# Allegro board meta_module_lay_rev1.brd (continued)
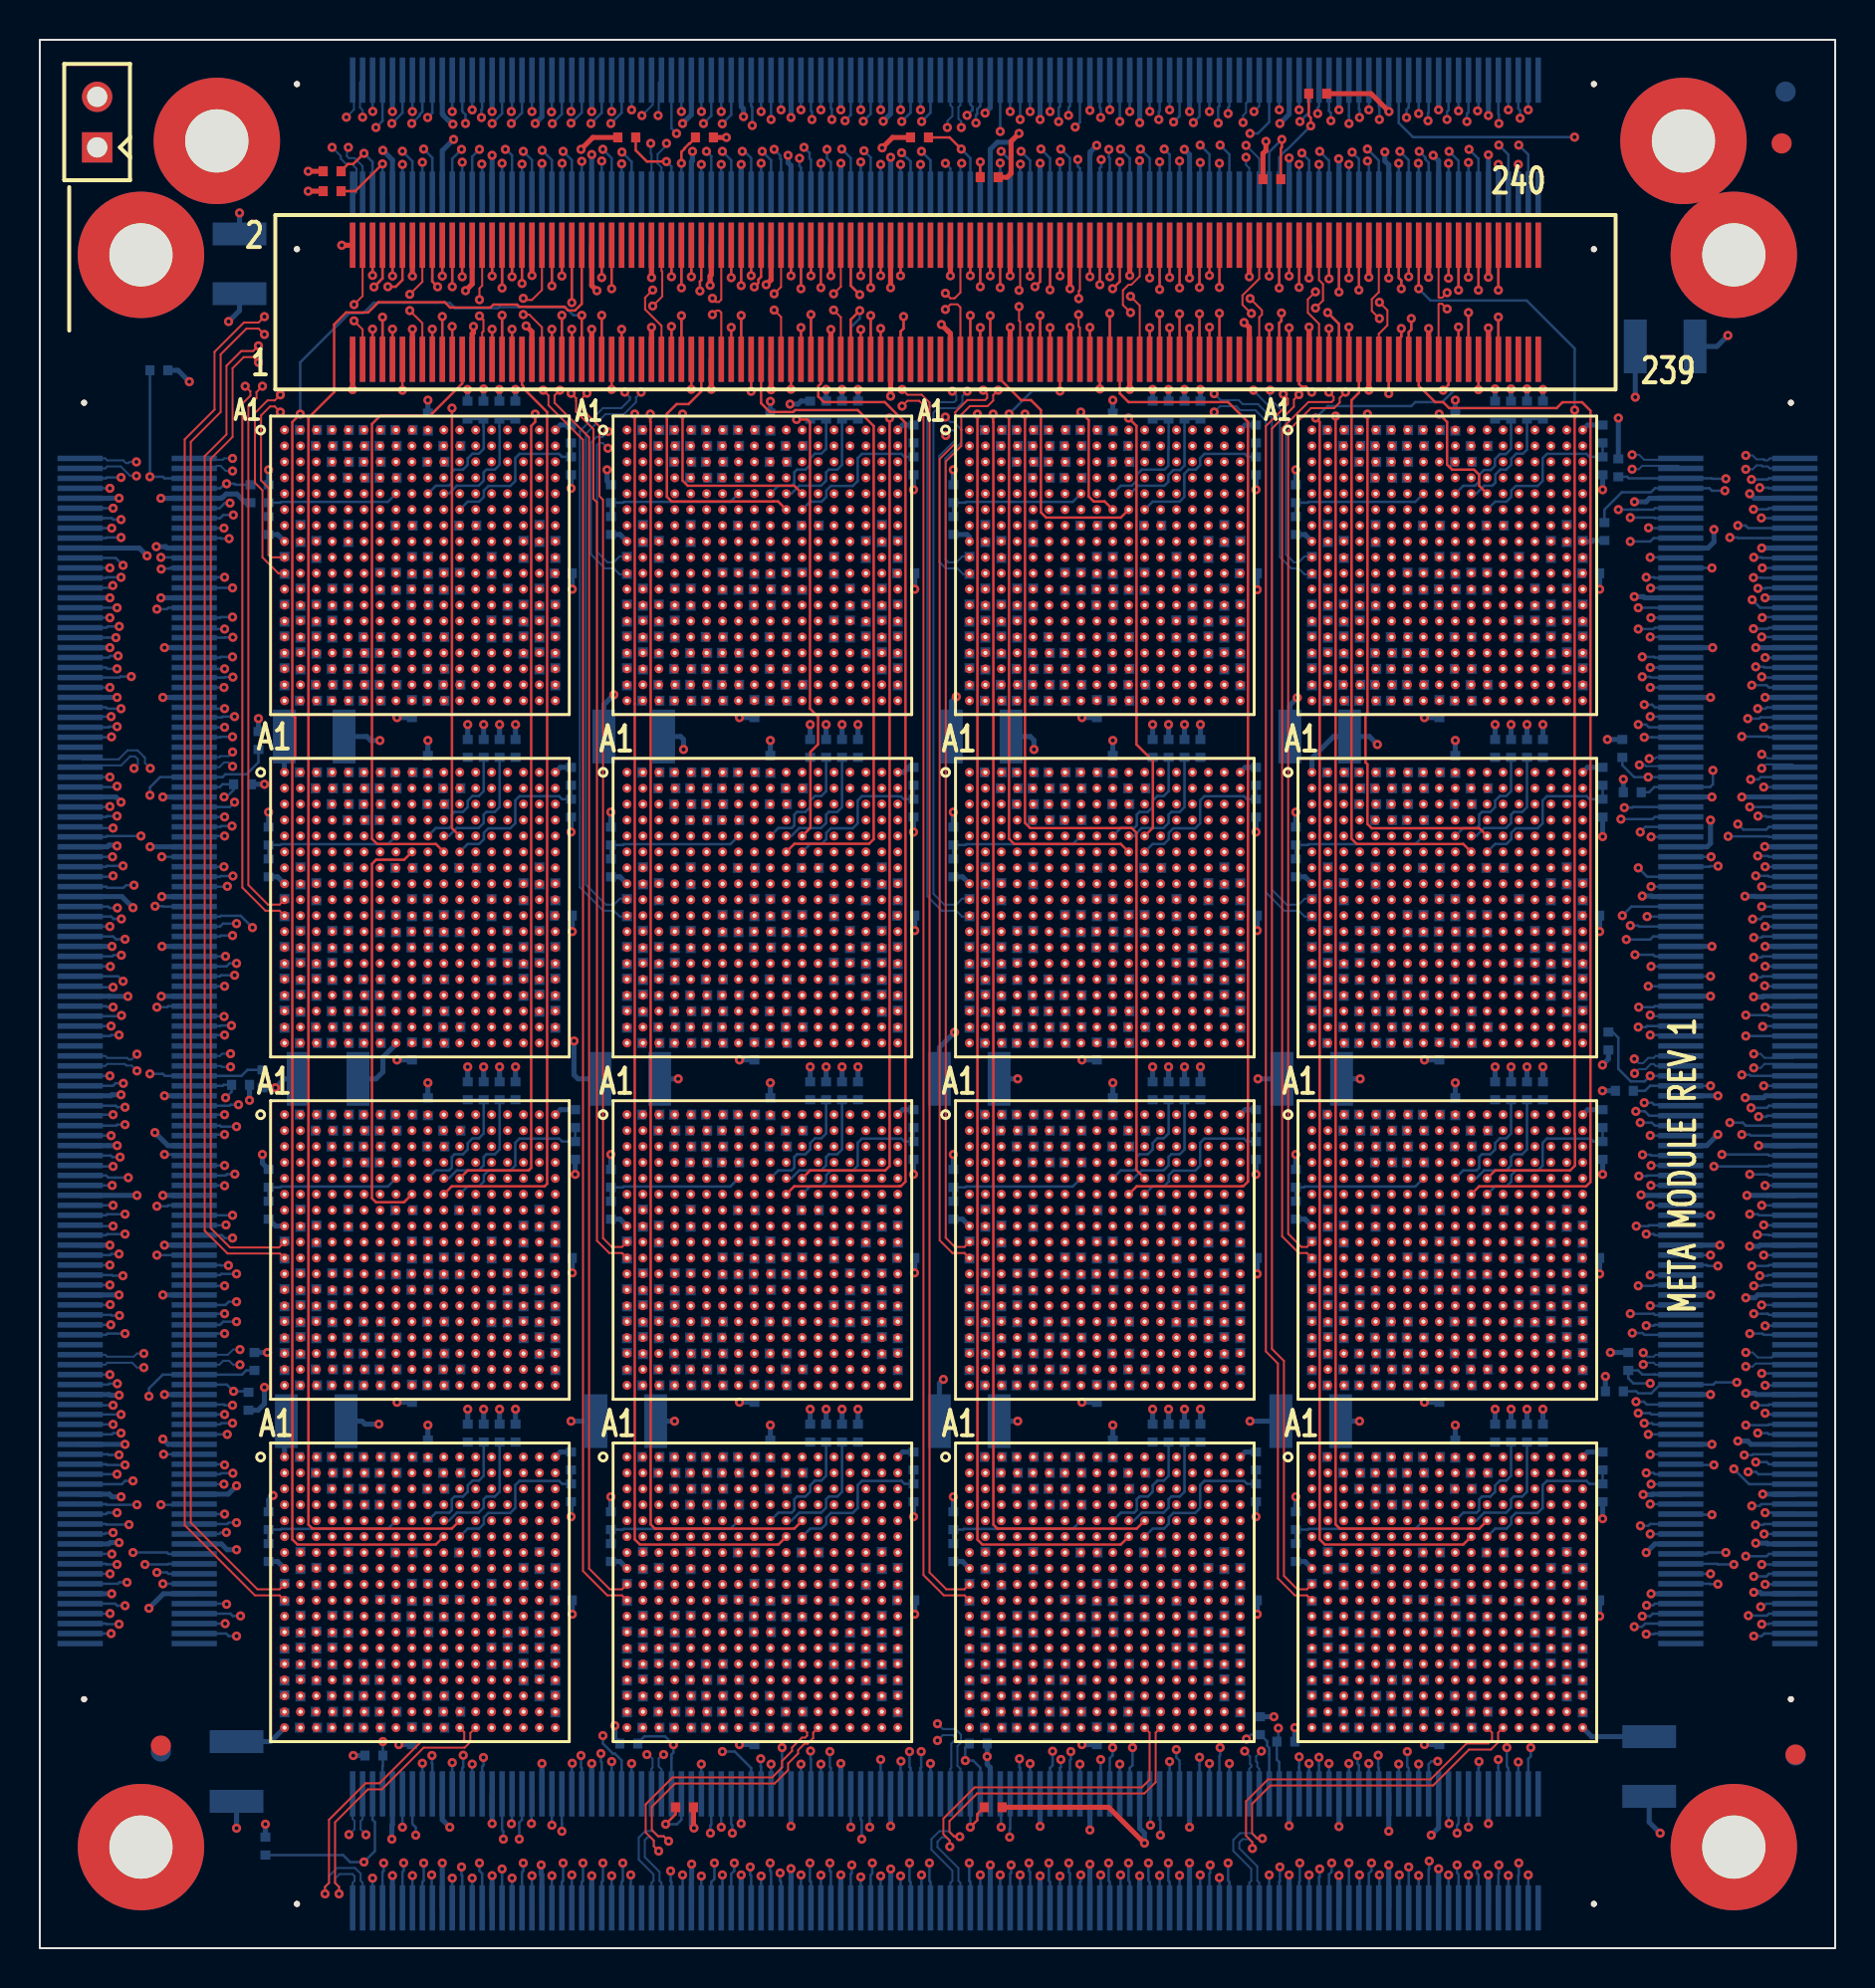
[diagram p0: board, top side]
## Routing (per net, layer and track width the routed paths; a pad name or vN(x,y) marks a point on that pad's centre or on a via; arc(x,y) is an arc through that point) (continued)
WE_DATA_P3_SNOW4-4: length 13.3
  SIGNAL_L5 w0.083: U15.P15 57.48,31.89 57.48,32.48 57.68,32.68 58.02,32.68 58.28,32.94 58.28,33.28 58.48,33.48 58.88,33.48 59.08,33.68 59.08,38.08 59.28,38.28 61.28,38.28 62.48,39.48 U13.D1
WE_DATA_P4: length 12.6
  SIGNAL_L5 w0.083: U7.E4 48.67,72.66 48.15,72.66 47.86,72.37 47.86,72.13 47.61,71.88 47.28,71.88 47.08,71.68 47.08,71.28 46.88,71.08 46.08,71.08 44.88,69.88 44.88,66.88 44.28,66.28 42.97,66.28 42.69,66 42.69,65.48 U1.R18
WE_DATA_P4_SNOW4-1: length 12.6
  SIGNAL_L5 w0.083: U3.R18 25.49,65.48 25.49,66 25.77,66.28 27.08,66.28 27.68,66.88 27.68,69.88 28.88,71.08 29.68,71.08 29.88,71.28 29.88,71.68 30.08,71.88 30.41,71.88 30.66,72.13 30.66,72.37 30.95,72.66 31.48,72.66 U1.E4
WE_DATA_P4_SNOW4-2: length 12.6
  SIGNAL_L5 w0.083: U5.E4 65.88,72.66 65.35,72.66 65.06,72.37 65.06,72.13 64.81,71.88 64.48,71.88 64.28,71.68 64.28,71.28 64.08,71.08 63.28,71.08 62.08,69.88 62.08,66.88 61.48,66.28 60.17,66.28 59.89,66 59.89,65.48 U7.R18
WE_DATA_P4_SNOW4-3: length 12.6
  SIGNAL_L5 w0.083: U11.R18 25.49,31.08 25.49,31.6 25.77,31.88 27.08,31.88 27.68,32.48 27.68,35.48 28.88,36.68 29.68,36.68 29.88,36.88 29.88,37.28 30.08,37.48 30.41,37.48 30.66,37.73 30.66,37.97 30.95,38.26 31.48,38.26 U9.E4
WE_DATA_P4_SNOW4-4: length 12.6
  SIGNAL_L5 w0.083: U15.R18 59.89,31.08 59.89,31.6 60.17,31.88 61.48,31.88 62.08,32.48 62.08,35.48 63.28,36.68 64.08,36.68 64.28,36.88 64.28,37.28 64.48,37.48 64.81,37.48 65.06,37.73 65.06,37.97 65.35,38.26 65.88,38.26 U13.E4
WE_DATA_P5: length 12.2
  SIGNAL_L5 w0.083: U7.D3 47.92,73.51 47.28,73.51 47.08,73.31 47.08,72.88 46.88,72.68 45.88,72.68 44.08,70.88 44.08,69.28 43.48,68.68 43.48,68.08 43.28,67.88 42.88,67.88 42.68,67.68 42.68,67.35 42.44,67.11 42.11,67.11 41.89,66.89 41.89,66.28 U1.P17
WE_DATA_P5_SNOW4-1: length 12.2
  SIGNAL_L5 w0.083: U1.D3 30.72,73.51 30.08,73.51 29.88,73.31 29.88,72.88 29.68,72.68 28.68,72.68 26.88,70.88 26.88,69.28 26.28,68.68 26.28,68.08 26.08,67.88 25.68,67.88 25.48,67.68 25.48,67.35 25.24,67.11 24.91,67.11 24.69,66.89 24.69,66.28 U3.P17
WE_DATA_P5_SNOW4-2: length 12.2
  SIGNAL_L5 w0.083: U5.D3 65.12,73.51 64.48,73.51 64.28,73.31 64.28,72.88 64.08,72.68 63.08,72.68 61.28,70.88 61.28,69.28 60.68,68.68 60.68,68.08 60.48,67.88 60.08,67.88 59.88,67.68 59.88,67.35 59.64,67.11 59.31,67.11 59.09,66.89 59.09,66.28 U7.P17
WE_DATA_P5_SNOW4-3: length 12.2
  SIGNAL_L5 w0.083: U11.P17 24.69,31.88 24.69,32.49 24.91,32.71 25.24,32.71 25.48,32.95 25.48,33.28 25.68,33.48 26.08,33.48 26.28,33.68 26.28,34.28 26.88,34.88 26.88,36.48 28.68,38.28 29.68,38.28 29.88,38.48 29.88,38.91 30.08,39.11 30.72,39.11 U9.D3
WE_DATA_P5_SNOW4-4: length 12.2
  SIGNAL_L5 w0.083: U13.D3 65.12,39.11 64.48,39.11 64.28,38.91 64.28,38.48 64.08,38.28 63.08,38.28 61.28,36.48 61.28,34.88 60.68,34.28 60.68,33.68 60.48,33.48 60.08,33.48 59.88,33.28 59.88,32.95 59.64,32.71 59.31,32.71 59.09,32.49 59.09,31.88 U15.P17
WE_DATA_P6: length 17.3
  SIGNAL_L9 w0.083: U7.C2 47.09,75.08 44.89,75.08 44.09,74.28 40.55,74.28 40.29,74.02 40.29,73.68 40.09,73.48 39.75,73.48 39.49,73.22 39.49,67.34 39.75,67.08 41.09,67.08 U1.N16
WE_DATA_P6_SNOW4-1: length 17.4
  SIGNAL_L9 w0.083: U3.N16 23.89,67.08 22.55,67.08 22.29,67.34 22.29,73.22 22.55,73.48 22.89,73.48 23.09,73.68 23.09,74.02 23.35,74.28 26.89,74.28 27.69,75.08 28.29,75.08 28.38,74.99 28.69,74.99 28.78,75.08 29.89,75.08 U1.C2
WE_DATA_P6_SNOW4-2: length 17.3
  SIGNAL_L9 w0.083: U7.N16 58.29,67.08 56.95,67.08 56.69,67.34 56.69,73.22 56.95,73.48 57.29,73.48 57.49,73.68 57.49,74.02 57.75,74.28 61.29,74.28 62.09,75.08 64.29,75.08 U5.C2
WE_DATA_P6_SNOW4-3: length 17.3
  SIGNAL_L9 w0.083: U11.N16 23.89,32.68 22.55,32.68 22.29,32.94 22.29,38.82 22.55,39.08 22.89,39.08 23.09,39.28 23.09,39.62 23.35,39.88 26.89,39.88 27.69,40.68 29.89,40.68 U9.C2
WE_DATA_P6_SNOW4-4: length 17.3
  SIGNAL_L9 w0.083: U15.N16 58.29,32.68 56.95,32.68 56.69,32.94 56.69,38.82 56.95,39.08 57.29,39.08 57.49,39.28 57.49,39.62 57.75,39.88 61.29,39.88 62.09,40.68 64.29,40.68 U13.C2
WE_DATA_P7: length 13.8
  SIGNAL_L5 w0.083: U1.M15 40.29,67.88 40.29,74 40.56,74.27 40.81,74.27 41.12,74.59 41.12,74.83 41.36,75.07 43.47,75.07 43.88,75.48 U7.B1
WE_DATA_P7_SNOW4-1: length 14.1
  SIGNAL_L5 w0.083: U1.B1 28.94,75.48 28.69,75.73 26.93,75.73 26.27,75.07 24.16,75.07 23.92,74.83 23.92,74.59 23.61,74.27 23.36,74.27 23.09,74 23.09,67.88 U3.M15
WE_DATA_P7_SNOW4-2: length 13.8
  SIGNAL_L5 w0.083: U5.B1 61.08,75.48 60.67,75.07 58.56,75.07 58.32,74.83 58.32,74.59 58.01,74.27 57.76,74.27 57.49,74 57.49,67.88 U7.M15
WE_DATA_P7_SNOW4-3: length 13.8
  SIGNAL_L5 w0.083: U11.M15 23.09,33.48 23.09,39.6 23.36,39.87 23.61,39.87 23.92,40.19 23.92,40.43 24.16,40.67 26.27,40.67 26.68,41.08 U9.B1
WE_DATA_P7_SNOW4-4: length 13.8
  SIGNAL_L5 w0.083: U13.B1 61.08,41.08 60.67,40.67 58.56,40.67 58.32,40.43 58.32,40.19 58.01,39.87 57.76,39.87 57.49,39.6 57.49,33.48 U15.M15
WE_DATA_P8: length 12.2
  SIGNAL_L5 w0.083: U8.G4 48.69,53.88 48.17,53.88 47.88,53.59 47.88,52.48 47.68,52.28 46.28,52.28 45.68,51.68 45.68,49.67 43.49,47.48 42.97,47.48 42.72,47.23 42.72,46.65 U2.U18
WE_DATA_P8_SNOW4-1: length 12.2
  SIGNAL_L5 w0.083: U2.G4 31.49,53.88 30.97,53.88 30.68,53.59 30.68,52.48 30.48,52.28 29.08,52.28 28.48,51.68 28.48,49.67 26.29,47.48 25.77,47.48 25.52,47.23 25.52,46.65 U4.U18
WE_DATA_P8_SNOW4-2: length 12.2
  SIGNAL_L5 w0.083: U8.U18 59.92,46.65 59.92,47.23 60.17,47.48 60.69,47.48 62.88,49.67 62.88,51.68 63.48,52.28 64.88,52.28 65.08,52.48 65.08,53.59 65.37,53.88 65.89,53.88 U6.G4
WE_DATA_P8_SNOW4-3: length 12.2
  SIGNAL_L5 w0.083: U12.U18 25.52,12.25 25.52,12.83 25.77,13.08 26.29,13.08 28.48,15.27 28.48,17.28 29.08,17.88 30.48,17.88 30.68,18.08 30.68,19.19 30.97,19.48 31.49,19.48 U10.G4
WE_DATA_P8_SNOW4-4: length 12.2
  SIGNAL_L5 w0.083: U14.G4 65.89,19.48 65.37,19.48 65.08,19.19 65.08,18.08 64.88,17.88 63.48,17.88 62.88,17.28 62.88,15.27 60.69,13.08 60.17,13.08 59.92,12.83 59.92,12.25 U16.U18
WE_DATA_P9: length 15.4
  SIGNAL_L9 w0.083: U2.T17 42.69,47.48 43.88,47.48 46.26,49.86 49.32,49.86 49.47,50.01 49.47,50.47 49.68,50.68 50.08,50.68 50.28,50.88 50.28,53.68 50.06,53.9 49.73,53.9 49.48,54.15 49.48,54.48 49.28,54.68 48.69,54.68 U8.F3
WE_DATA_P9_SNOW4-1: length 15.4
  SIGNAL_L9 w0.083: U2.F3 31.49,54.68 32.08,54.68 32.28,54.48 32.28,54.15 32.53,53.9 32.86,53.9 33.08,53.68 33.08,50.88 32.88,50.68 32.48,50.68 32.27,50.47 32.27,50.01 32.12,49.86 29.06,49.86 26.68,47.48 25.49,47.48 U4.T17
WE_DATA_P9_SNOW4-2: length 15.4
  SIGNAL_L9 w0.083: U6.F3 65.89,54.68 66.48,54.68 66.68,54.48 66.68,54.15 66.93,53.9 67.26,53.9 67.48,53.68 67.48,50.88 67.28,50.68 66.88,50.68 66.67,50.47 66.67,50.01 66.52,49.86 63.46,49.86 61.08,47.48 59.89,47.48 U8.T17
WE_DATA_P9_SNOW4-3: length 15.4
  SIGNAL_L9 w0.083: U12.T17 25.49,13.08 26.68,13.08 29.06,15.46 32.12,15.46 32.27,15.61 32.27,16.07 32.48,16.28 32.88,16.28 33.08,16.48 33.08,19.28 32.86,19.5 32.53,19.5 32.28,19.75 32.28,20.08 32.08,20.28 31.49,20.28 U10.F3
WE_DATA_P9_SNOW4-4: length 15.4
  SIGNAL_L9 w0.083: U16.T17 59.89,13.08 61.08,13.08 63.46,15.46 66.52,15.46 66.67,15.61 66.67,16.07 66.88,16.28 67.28,16.28 67.48,16.48 67.48,19.28 67.26,19.5 66.93,19.5 66.68,19.75 66.68,20.08 66.48,20.28 65.89,20.28 U14.F3
WE_DATA_P10: length 19.1
  SIGNAL_L6 w0.083: U8.E2 47.11,55.5 46.5,55.5 46.28,55.28 44.88,55.28 44.28,54.68 42.08,54.68 41.88,54.88 41.88,55.28 41.68,55.48 40.48,55.48 40.28,55.28 40.28,54.88 40.06,54.66 39.73,54.66 39.48,54.41 39.48,54.08 39.28,53.88 38.91,53.88 38.71,53.68 38.71,50.92 38.97,50.66 40.85,50.66 41.08,50.43 41.08,48.29 U2.R16
WE_DATA_P10_SNOW4-1: length 19.1
  SIGNAL_L6 w0.083: U4.R16 23.88,48.29 23.88,50.43 23.65,50.66 21.77,50.66 21.51,50.92 21.51,53.68 21.71,53.88 22.08,53.88 22.28,54.08 22.28,54.41 22.53,54.66 22.86,54.66 23.08,54.88 23.08,55.28 23.28,55.48 24.48,55.48 24.68,55.28 24.68,54.88 24.88,54.68 27.08,54.68 27.68,55.28 29.08,55.28 29.3,55.5 29.91,55.5 U2.E2
WE_DATA_P10_SNOW4-2: length 19.1
  SIGNAL_L6 w0.083: U6.E2 64.31,55.5 63.7,55.5 63.48,55.28 62.08,55.28 61.48,54.68 59.28,54.68 59.08,54.88 59.08,55.28 58.88,55.48 57.68,55.48 57.48,55.28 57.48,54.88 57.26,54.66 56.93,54.66 56.68,54.41 56.68,54.08 56.48,53.88 56.11,53.88 55.91,53.68 55.91,50.92 56.17,50.66 58.05,50.66 58.28,50.43 58.28,48.29 U8.R16
WE_DATA_P10_SNOW4-3: length 19.1
  SIGNAL_L6 w0.083: U12.R16 23.88,13.89 23.88,16.03 23.65,16.26 21.77,16.26 21.51,16.52 21.51,19.28 21.71,19.48 22.08,19.48 22.28,19.68 22.28,20.01 22.53,20.26 22.86,20.26 23.08,20.48 23.08,20.88 23.28,21.08 24.48,21.08 24.68,20.88 24.68,20.48 24.88,20.28 27.08,20.28 27.68,20.88 29.08,20.88 29.3,21.1 29.91,21.1 U10.E2
WE_DATA_P10_SNOW4-4: length 19.1
  SIGNAL_L6 w0.083: U16.R16 58.28,13.89 58.28,16.03 58.05,16.26 56.17,16.26 55.91,16.52 55.91,19.28 56.11,19.48 56.48,19.48 56.68,19.68 56.68,20.01 56.93,20.26 57.26,20.26 57.48,20.48 57.48,20.88 57.68,21.08 58.88,21.08 59.08,20.88 59.08,20.48 59.28,20.28 61.48,20.28 62.08,20.88 63.48,20.88 63.7,21.1 64.31,21.1 U14.E2
WE_DATA_P11: length 13.3
  SIGNAL_L5 w0.083: U2.P15 40.28,49.09 40.28,49.68 40.48,49.88 40.82,49.88 41.08,50.14 41.08,50.48 41.28,50.68 41.68,50.68 41.88,50.88 41.88,55.28 42.08,55.48 44.08,55.48 45.28,56.68 U8.D1
WE_DATA_P11_SNOW4-1: length 13.3
  SIGNAL_L5 w0.083: U2.D1 28.08,56.68 26.88,55.48 24.88,55.48 24.68,55.28 24.68,50.88 24.48,50.68 24.08,50.68 23.88,50.48 23.88,50.14 23.62,49.88 23.28,49.88 23.08,49.68 23.08,49.09 U4.P15
WE_DATA_P11_SNOW4-2: length 13.3
  SIGNAL_L5 w0.083: U8.P15 57.48,49.09 57.48,49.68 57.68,49.88 58.02,49.88 58.28,50.14 58.28,50.48 58.48,50.68 58.88,50.68 59.08,50.88 59.08,55.28 59.28,55.48 61.28,55.48 62.48,56.68 U6.D1
WE_DATA_P11_SNOW4-3: length 13.3
  SIGNAL_L5 w0.083: U10.D1 28.08,22.28 26.88,21.08 24.88,21.08 24.68,20.88 24.68,16.48 24.48,16.28 24.08,16.28 23.88,16.08 23.88,15.74 23.62,15.48 23.28,15.48 23.08,15.28 23.08,14.69 U12.P15
WE_DATA_P11_SNOW4-4: length 13.3
  SIGNAL_L5 w0.083: U16.P15 57.48,14.69 57.48,15.28 57.68,15.48 58.02,15.48 58.28,15.74 58.28,16.08 58.48,16.28 58.88,16.28 59.08,16.48 59.08,20.88 59.28,21.08 61.28,21.08 62.48,22.28 U14.D1
WE_DATA_P12: length 12.6
  SIGNAL_L5 w0.083: U2.R18 42.69,48.28 42.69,48.8 42.97,49.08 44.28,49.08 44.88,49.68 44.88,52.68 46.08,53.88 46.88,53.88 47.08,54.08 47.08,54.48 47.28,54.68 47.61,54.68 47.86,54.93 47.86,55.17 48.15,55.46 48.67,55.46 U8.E4
WE_DATA_P12_SNOW4-1: length 12.6
  SIGNAL_L5 w0.083: U2.E4 31.48,55.46 30.95,55.46 30.66,55.17 30.66,54.93 30.41,54.68 30.08,54.68 29.88,54.48 29.88,54.08 29.68,53.88 28.88,53.88 27.68,52.68 27.68,49.68 27.08,49.08 25.77,49.08 25.49,48.8 25.49,48.28 U4.R18
WE_DATA_P12_SNOW4-2: length 12.6
  SIGNAL_L5 w0.083: U6.E4 65.88,55.46 65.35,55.46 65.06,55.17 65.06,54.93 64.81,54.68 64.48,54.68 64.28,54.48 64.28,54.08 64.08,53.88 63.28,53.88 62.08,52.68 62.08,49.68 61.48,49.08 60.17,49.08 59.89,48.8 59.89,48.28 U8.R18
WE_DATA_P12_SNOW4-3: length 12.6
  SIGNAL_L5 w0.083: U10.E4 31.48,21.06 30.95,21.06 30.66,20.77 30.66,20.53 30.41,20.28 30.08,20.28 29.88,20.08 29.88,19.68 29.68,19.48 28.88,19.48 27.68,18.28 27.68,15.28 27.08,14.68 25.77,14.68 25.49,14.4 25.49,13.88 U12.R18
WE_DATA_P12_SNOW4-4: length 12.6
  SIGNAL_L5 w0.083: U16.R18 59.89,13.88 59.89,14.4 60.17,14.68 61.48,14.68 62.08,15.28 62.08,18.28 63.28,19.48 64.08,19.48 64.28,19.68 64.28,20.08 64.48,20.28 64.81,20.28 65.06,20.53 65.06,20.77 65.35,21.06 65.88,21.06 U14.E4
WE_DATA_P13: length 12.2
  SIGNAL_L5 w0.083: U8.D3 47.92,56.31 47.28,56.31 47.08,56.11 47.08,55.68 46.88,55.48 45.88,55.48 44.08,53.68 44.08,52.08 43.48,51.48 43.48,50.88 43.28,50.68 42.88,50.68 42.68,50.48 42.68,50.15 42.44,49.91 42.11,49.91 41.89,49.69 41.89,49.08 U2.P17
WE_DATA_P13_SNOW4-1: length 12.2
  SIGNAL_L5 w0.083: U4.P17 24.69,49.08 24.69,49.69 24.91,49.91 25.24,49.91 25.48,50.15 25.48,50.48 25.68,50.68 26.08,50.68 26.28,50.88 26.28,51.48 26.88,52.08 26.88,53.68 28.68,55.48 29.68,55.48 29.88,55.68 29.88,56.11 30.08,56.31 30.72,56.31 U2.D3
WE_DATA_P13_SNOW4-2: length 12.2
  SIGNAL_L5 w0.083: U8.P17 59.09,49.08 59.09,49.69 59.31,49.91 59.64,49.91 59.88,50.15 59.88,50.48 60.08,50.68 60.48,50.68 60.68,50.88 60.68,51.48 61.28,52.08 61.28,53.68 63.08,55.48 64.08,55.48 64.28,55.68 64.28,56.11 64.48,56.31 65.12,56.31 U6.D3
WE_DATA_P13_SNOW4-3: length 12.2
  SIGNAL_L5 w0.083: U12.P17 24.69,14.68 24.69,15.29 24.91,15.51 25.24,15.51 25.48,15.75 25.48,16.08 25.68,16.28 26.08,16.28 26.28,16.48 26.28,17.08 26.88,17.68 26.88,19.28 28.68,21.08 29.68,21.08 29.88,21.28 29.88,21.71 30.08,21.91 30.72,21.91 U10.D3
WE_DATA_P13_SNOW4-4: length 12.2
  SIGNAL_L5 w0.083: U14.D3 65.12,21.91 64.48,21.91 64.28,21.71 64.28,21.28 64.08,21.08 63.08,21.08 60.68,18.68 60.68,16.48 60.48,16.28 60.08,16.28 59.88,16.08 59.88,15.75 59.64,15.51 59.31,15.51 59.09,15.29 59.09,14.68 U16.P17
WE_DATA_P14: length 17.3
  SIGNAL_L9 w0.083: U8.C2 47.09,57.88 44.89,57.88 44.09,57.08 40.55,57.08 40.29,56.82 40.29,56.48 40.09,56.28 39.75,56.28 39.49,56.02 39.49,50.14 39.75,49.88 41.09,49.88 U2.N16
WE_DATA_P14_SNOW4-1: length 17.3
  SIGNAL_L9 w0.083: U2.C2 29.89,57.88 27.69,57.88 26.89,57.08 23.35,57.08 23.09,56.82 23.09,56.48 22.89,56.28 22.55,56.28 22.29,56.02 22.29,50.14 22.55,49.88 23.89,49.88 U4.N16
WE_DATA_P14_SNOW4-2: length 17.3
  SIGNAL_L9 w0.083: U6.C2 64.29,57.88 62.09,57.88 61.29,57.08 57.75,57.08 57.49,56.82 57.49,56.48 57.29,56.28 56.95,56.28 56.69,56.02 56.69,50.14 56.95,49.88 58.29,49.88 U8.N16
WE_DATA_P14_SNOW4-3: length 17.3
  SIGNAL_L9 w0.083: U12.N16 23.89,15.48 22.55,15.48 22.29,15.74 22.29,21.62 22.55,21.88 22.89,21.88 23.09,22.08 23.09,22.42 23.35,22.68 26.89,22.68 27.69,23.48 29.89,23.48 U10.C2
WE_DATA_P14_SNOW4-4: length 17.3
  SIGNAL_L9 w0.083: U16.N16 58.29,15.48 56.95,15.48 56.69,15.74 56.69,21.62 56.95,21.88 57.29,21.88 57.49,22.08 57.49,22.42 57.75,22.68 61.29,22.68 62.09,23.48 64.29,23.48 U14.C2
WE_DATA_P15: length 13.8
  SIGNAL_L5 w0.083: U8.B1 43.88,58.28 43.47,57.87 41.36,57.87 41.12,57.63 41.12,57.39 40.81,57.07 40.56,57.07 40.29,56.8 40.29,50.68 U2.M15
WE_DATA_P15_SNOW4-1: length 13.8
  SIGNAL_L5 w0.083: U4.M15 23.09,50.68 23.09,56.8 23.36,57.07 23.61,57.07 23.92,57.39 23.92,57.63 24.16,57.87 26.27,57.87 26.68,58.28 U2.B1
WE_DATA_P15_SNOW4-2: length 13.8
  SIGNAL_L5 w0.083: U6.B1 61.08,58.28 60.67,57.87 58.56,57.87 58.32,57.63 58.32,57.39 58.01,57.07 57.76,57.07 57.49,56.8 57.49,50.68 U8.M15
WE_DATA_P15_SNOW4-3: length 13.8
  SIGNAL_L5 w0.083: U10.B1 26.68,23.88 26.27,23.47 24.16,23.47 23.92,23.23 23.92,22.99 23.61,22.67 23.36,22.67 23.09,22.4 23.09,16.28 U12.M15
WE_DATA_P15_SNOW4-4: length 13.8
  SIGNAL_L5 w0.083: U14.B1 61.08,23.88 60.67,23.47 58.56,23.47 58.32,23.23 58.32,22.99 58.01,22.67 57.76,22.67 57.49,22.4 57.49,16.28 U16.M15
WE_DATA_P16: length 12.2
  SIGNAL_L5 w0.083: U9.U18 42.72,29.45 42.72,30.03 42.97,30.28 43.49,30.28 45.68,32.47 45.68,34.48 46.28,35.08 47.68,35.08 47.88,35.28 47.88,36.39 48.17,36.68 48.69,36.68 U15.G4
WE_DATA_P17: length 15.4
  SIGNAL_L9 w0.083: U9.T17 42.69,30.28 43.88,30.28 46.26,32.66 49.32,32.66 49.47,32.81 49.47,33.27 49.68,33.48 50.08,33.48 50.28,33.68 50.28,36.48 50.06,36.7 49.73,36.7 49.48,36.95 49.48,37.28 49.28,37.48 48.69,37.48 U15.F3
WE_DATA_P18: length 19.1
  SIGNAL_L6 w0.083: U9.R16 41.08,31.09 41.08,33.23 40.85,33.46 38.97,33.46 38.71,33.72 38.71,36.48 38.91,36.68 39.28,36.68 39.48,36.88 39.48,37.21 39.73,37.46 40.06,37.46 40.28,37.68 40.28,38.08 40.48,38.28 41.68,38.28 41.88,38.08 41.88,37.68 42.08,37.48 44.28,37.48 44.88,38.08 46.28,38.08 46.5,38.3 47.11,38.3 U15.E2
WE_DATA_P19: length 13.3
  SIGNAL_L5 w0.083: U15.D1 45.28,39.48 44.08,38.28 42.08,38.28 41.88,38.08 41.88,33.68 41.68,33.48 41.28,33.48 41.08,33.28 41.08,32.94 40.82,32.68 40.48,32.68 40.28,32.48 40.28,31.89 U9.P15
WE_DATA_P20: length 12.6
  SIGNAL_L5 w0.083: U9.R18 42.69,31.08 42.69,31.6 42.97,31.88 44.28,31.88 44.88,32.48 44.88,35.48 46.08,36.68 46.88,36.68 47.08,36.88 47.08,37.28 47.28,37.48 47.61,37.48 47.86,37.73 47.86,37.97 48.15,38.26 48.67,38.26 U15.E4
WE_DATA_P21: length 12.2
  SIGNAL_L5 w0.083: U9.P17 41.89,31.88 41.89,32.49 42.11,32.71 42.44,32.71 42.68,32.95 42.68,33.28 42.88,33.48 43.28,33.48 43.48,33.68 43.48,34.28 44.08,34.88 44.08,36.48 45.88,38.28 46.88,38.28 47.08,38.48 47.08,38.91 47.28,39.11 47.92,39.11 U15.D3
WE_DATA_P22: length 17.3
  SIGNAL_L9 w0.083: U9.N16 41.09,32.68 39.75,32.68 39.49,32.94 39.49,38.82 39.75,39.08 40.09,39.08 40.29,39.28 40.29,39.62 40.55,39.88 44.09,39.88 44.89,40.68 47.09,40.68 U15.C2
WE_DATA_P23: length 13.8
  SIGNAL_L5 w0.083: U9.M15 40.29,33.48 40.29,39.6 40.56,39.87 40.81,39.87 41.12,40.19 41.12,40.43 41.36,40.67 43.47,40.67 43.88,41.08 U15.B1
WE_DATA_P24: length 12.2
  SIGNAL_L5 w0.083: U10.U18 42.72,12.25 42.72,12.83 42.97,13.08 43.49,13.08 45.68,15.27 45.68,17.28 46.28,17.88 47.68,17.88 47.88,18.08 47.88,19.19 48.17,19.48 48.69,19.48 U16.G4
WE_DATA_P25: length 15.4
  SIGNAL_L9 w0.083: U10.T17 42.69,13.08 43.88,13.08 46.26,15.46 49.32,15.46 49.47,15.61 49.47,16.07 49.68,16.28 50.08,16.28 50.28,16.48 50.28,19.28 50.06,19.5 49.73,19.5 49.48,19.75 49.48,20.08 49.28,20.28 48.69,20.28 U16.F3
WE_DATA_P26: length 19.1
  SIGNAL_L6 w0.083: U16.E2 47.11,21.1 46.5,21.1 46.28,20.88 44.88,20.88 44.28,20.28 42.08,20.28 41.88,20.48 41.88,20.88 41.68,21.08 40.48,21.08 40.28,20.88 40.28,20.48 40.06,20.26 39.73,20.26 39.48,20.01 39.48,19.68 39.28,19.48 38.91,19.48 38.71,19.28 38.71,16.52 38.97,16.26 40.85,16.26 41.08,16.03 41.08,13.89 U10.R16
WE_DATA_P27: length 13.3
  SIGNAL_L5 w0.083: U10.P15 40.28,14.69 40.28,15.28 40.48,15.48 40.82,15.48 41.08,15.74 41.08,16.08 41.28,16.28 41.68,16.28 41.88,16.48 41.88,20.88 42.08,21.08 44.08,21.08 45.28,22.28 U16.D1
WE_DATA_P28: length 12.6
  SIGNAL_L5 w0.083: U16.E4 48.67,21.06 48.15,21.06 47.86,20.77 47.86,20.53 47.61,20.28 47.28,20.28 47.08,20.08 47.08,19.68 46.88,19.48 46.08,19.48 44.88,18.28 44.88,15.28 44.28,14.68 42.97,14.68 42.69,14.4 42.69,13.88 U10.R18
WE_DATA_P29: length 12.2
  SIGNAL_L5 w0.083: U10.P17 41.89,14.68 41.89,15.29 42.11,15.51 42.44,15.51 42.68,15.75 42.68,16.08 42.88,16.28 43.28,16.28 43.48,16.48 43.48,17.08 44.08,17.68 44.08,19.28 45.88,21.08 46.88,21.08 47.08,21.28 47.08,21.71 47.28,21.91 47.92,21.91 U16.D3
WE_DATA_P30: length 17.3
  SIGNAL_L9 w0.083: U16.C2 47.09,23.48 44.89,23.48 44.09,22.68 40.55,22.68 40.29,22.42 40.29,22.08 40.09,21.88 39.75,21.88 39.49,21.62 39.49,15.74 39.75,15.48 41.09,15.48 U10.N16
WE_DATA_P31: length 13.8
  SIGNAL_L5 w0.083: U16.B1 43.88,23.88 43.47,23.47 41.36,23.47 41.12,23.23 41.12,22.99 40.81,22.67 40.56,22.67 40.29,22.4 40.29,16.28 U10.M15
WE_FRAME_IN_N0: length 17.8
  SIGNAL_L12 w0.083: U3.M2 12.66,67.91 12.25,67.91 12.25,67.91 12.15,67.91 12.15,67.91 12.14,67.91 11.92,68.13 11.92,68.14 9.78,70.28 9.18,70.28 v1(5.53,73.93)
  BOTTOM w0.127: R1017.1 v1(5.53,73.93) 6.18,73.93 6.26,73.85 J6.5
WE_FRAME_IN_N1: length 18.6
  SIGNAL_L12 w0.083: U4.M2 12.66,50.71 12.12,50.71 10.25,52.57 10.25,54.11 7.28,57.08 6.38,57.08 v1(5.53,57.93)
  BOTTOM w0.127: R1018.1 10.98,59.58 10.38,58.98 9.32,58.98 9.18,58.84 J6.65 6.05,58.84 5.53,58.32 v1(5.53,57.93)
WE_FRAME_IN_N2: length 20.3
  SIGNAL_L12 w0.083: U11.M2 12.66,33.51 12.12,33.51 11.38,34.25 11.38,34.93 10.18,36.13 10.18,39.08 7.28,41.98 7.28,42.55 5.9,43.93 v1(5.53,43.93)
  BOTTOM w0.127: R1019.1 10.43,44.13 10.13,43.83 J6.125 6.28,43.83 6.18,43.93 v1(5.53,43.93)
WE_FRAME_IN_N3: length 22.1
  SIGNAL_L12 w0.083: U12.M2 12.66,16.31 12.12,16.31 10.25,18.18 10.25,24.11 7.38,26.98 6.23,26.98 v1(5.48,27.73)
  BOTTOM w0.127: R1020.1 10.37,29.03 10.15,28.82 J6.185 6.17,28.82 5.48,28.12 v1(5.48,27.73)
WE_FRAME_IN_P0: length 10.4
  SIGNAL_L12 w0.083: U3.L2 12.69,68.68 12.17,68.68 10.28,70.57 10.28,71.18 9.82,71.64 9.56,71.64 9.18,72.02 9.18,72.81 9.38,73.01 v1(9.38,73.58)
  BOTTOM w0.127: J6.7 9.06,73.35 9.18,73.48 9.28,73.48 v1(9.38,73.58) 9.77,73.58 9.82,73.53 R1021.2
WE_FRAME_IN_P1: length 12
  SIGNAL_L12 w0.083: v1(9.25,57.84) 8.88,57.47 8.88,55.75 10.44,54.19 10.44,53.12 12.08,51.48 12.69,51.48 U4.L2
  BOTTOM w0.127: J6.67 9.04,58.34 9.18,58.48 R1022.2 9.73,58.19 9.38,57.84 v1(9.25,57.84)
WE_FRAME_IN_P2: length 14
  SIGNAL_L12 w0.083: v1(9.33,42.73) 8.68,42.08 8.68,40.94 10.38,39.24 10.38,36.19 11.68,34.89 11.68,34.68 12.08,34.28 12.69,34.28 U11.L2
  BOTTOM w0.127: v1(9.33,42.73) 9.63,43.03 R1023.2 9.24,43.38 9.19,43.33 J6.127
WE_FRAME_IN_P3: length 17.8
  SIGNAL_L12 w0.083: v1(9.73,27.98) 8.95,27.98 8.03,27.06 8.03,26.59 10.43,24.18 10.43,18.73 12.08,17.08 12.69,17.08 U12.L2
  BOTTOM w0.127: J6.187 9.39,28.32 v1(9.73,27.98) 10.43,27.98 R1024.2
WE_FRAME_N0: length 7.8
  SIGNAL_L9 w0.083: U1.M17 42.69,67.88 44.28,67.88 45.88,69.48 48.69,69.48 U7.J4
WE_FRAME_N0_SNOW4-1: length 9.3
  SIGNAL_L9 w0.083: U3.L17 24.68,67.87 24.68,67.28 24.88,67.08 27.08,67.08 28.68,68.68 31.49,68.68 U1.K4
WE_FRAME_N0_SNOW4-2: length 9.3
  SIGNAL_L9 w0.083: U5.K4 65.89,68.68 63.08,68.68 61.48,67.08 59.28,67.08 59.08,67.28 59.08,67.87 U7.L17
WE_FRAME_N0_SNOW4-3: length 9.3
  SIGNAL_L9 w0.083: U11.L17 24.68,33.47 24.68,32.88 24.88,32.68 27.08,32.68 28.68,34.28 31.49,34.28 U9.K4
WE_FRAME_N0_SNOW4-4: length 9.3
  SIGNAL_L9 w0.083: U13.K4 65.89,34.28 63.08,34.28 61.48,32.68 59.28,32.68 59.08,32.88 59.08,33.47 U15.L17
WE_FRAME_N1: length 7.8
  SIGNAL_L9 w0.083: U2.M17 42.69,50.68 44.28,50.68 45.88,52.28 48.69,52.28 U8.J4
WE_FRAME_N1_SNOW4-1: length 9.3
  SIGNAL_L9 w0.083: U2.K4 31.49,51.48 28.68,51.48 27.08,49.88 24.88,49.88 24.68,50.08 24.68,50.67 U4.L17
WE_FRAME_N1_SNOW4-2: length 9.3
  SIGNAL_L9 w0.083: U6.K4 65.89,51.48 63.08,51.48 61.48,49.88 59.28,49.88 59.08,50.08 59.08,50.67 U8.L17
WE_FRAME_N1_SNOW4-3: length 9.3
  SIGNAL_L9 w0.083: U10.K4 31.49,17.08 28.68,17.08 27.08,15.48 24.88,15.48 24.68,15.68 24.68,16.27 U12.L17
WE_FRAME_N1_SNOW4-4: length 9.3
  SIGNAL_L9 w0.083: U16.L17 59.08,16.27 59.08,15.68 59.28,15.48 61.48,15.48 63.08,17.08 65.89,17.08 U14.K4
WE_FRAME_N2: length 9.3
  SIGNAL_L9 w0.083: U9.L17 41.88,33.47 41.88,32.88 42.08,32.68 44.28,32.68 45.88,34.28 48.69,34.28 U15.K4
WE_FRAME_N3: length 9.3
  SIGNAL_L9 w0.083: U10.L17 41.88,16.27 41.88,15.68 42.08,15.48 44.28,15.48 45.88,17.08 48.69,17.08 U16.K4
WE_FRAME_OUT_N0: length 21.6
  SIGNAL_L10 w0.083: U3.K4 14.26,68.65 14.26,67.33 14.01,67.08 11.88,67.08 11.28,67.68 7.08,67.68 4.82,69.94 3.32,69.94 2.43,70.83 2.43,72.83 3.48,73.88 3.91,73.88 3.92,73.9 v1(4.08,73.9)
  BOTTOM w0.127: J6.6 3.33,73.85 3.37,73.9 v1(4.08,73.9)
WE_FRAME_OUT_N1: length 21.8
  SIGNAL_L10 w0.083: v1(3.52,58.84) 2.28,57.6 2.28,53.28 2.9,52.66 4.9,52.66 5.68,51.88 6.23,51.88 10.88,51.88 12.05,50.71 14.04,50.71 14.26,50.93 14.26,51.45 U4.K4
  BOTTOM w0.127: v1(3.52,58.84) J6.66
WE_FRAME_OUT_N2: length 24
  SIGNAL_L10 w0.083: v1(3.52,43.83) 1.83,42.14 1.83,37.53 3.48,35.88 3.75,35.88 4.13,35.51 5.31,35.51 5.58,35.78 6.78,35.78 7.88,34.68 10.88,34.68 12.05,33.51 14.04,33.51 14.26,33.73 14.26,34.25 U11.K4
  BOTTOM w0.127: v1(3.52,43.83) J6.126
WE_FRAME_OUT_N3: length 24.1
  SIGNAL_L10 w0.083: U12.K4 14.26,17.05 14.26,16.53 14.04,16.31 11.45,16.31 10.11,17.65 8.11,17.65 4.88,20.88 4.21,20.88 3.81,21.28 3.48,21.28 2.23,22.53 2.23,27.53 v1(3.52,28.82)
  BOTTOM w0.127: v1(3.52,28.82) J6.186
WE_FRAME_OUT_P0: length 19.4
  SIGNAL_L10 w0.083: U3.J4 14.26,69.45 14.26,68.93 14.01,68.68 13.68,68.68 13.46,68.46 13.46,68.13 13.21,67.88 11.88,67.88 10.48,69.28 8.08,69.28 6.57,70.79 5.7,70.79 5.03,70.13 3.48,70.13 2.68,70.93 2.68,72.51 v1(3.52,73.35)
  BOTTOM w0.127: v1(3.52,73.35) J6.8
WE_FRAME_OUT_P1: length 21.6
  SIGNAL_L10 w0.083: v1(3.88,58.38) 2.53,57.03 2.53,53.36 3.05,52.85 5.05,52.85 5.59,53.39 6.57,53.39 7.88,52.08 11.28,52.08 11.88,51.48 14.01,51.48 14.26,51.73 14.26,52.25 U4.J4
  BOTTOM w0.127: J6.68 3.74,58.34 3.78,58.38 3.88,58.38 v1(3.88,58.38)
WE_FRAME_OUT_P2: length 23.5
  SIGNAL_L10 w0.083: v1(4.2,43.46) 3.82,43.46 2.13,41.76 2.13,38.23 3.53,36.83 3.73,36.83 4.08,36.48 4.48,36.48 4.83,36.13 7.23,36.13 8.48,34.88 11.28,34.88 11.88,34.28 14.01,34.28 14.26,34.53 14.26,35.05 U11.J4
  BOTTOM w0.127: J6.128 3.67,43.33 3.8,43.46 v1(4.2,43.46)
WE_FRAME_OUT_P3: length 23.6
  SIGNAL_L10 w0.083: U12.J4 14.26,17.85 14.26,17.33 14.01,17.08 11.48,17.08 10.58,17.98 8.31,17.98 4.63,21.65 4.33,21.65 4.18,21.51 3.65,21.51 2.48,22.68 2.48,26.95 v1(3.89,28.36)
  BOTTOM w0.127: v1(3.89,28.36) 3.5,28.36 3.45,28.32 J6.188
WE_FRAME_P0: length 9.3
  SIGNAL_L9 w0.083: U7.K4 48.69,68.68 45.88,68.68 44.28,67.08 42.08,67.08 41.88,67.28 41.88,67.87 U1.L17
WE_FRAME_P0_SNOW4-1: length 7.8
  SIGNAL_L9 w0.083: U1.J4 31.49,69.48 28.68,69.48 27.08,67.88 25.49,67.88 U3.M17
WE_FRAME_P0_SNOW4-2: length 7.8
  SIGNAL_L9 w0.083: U5.J4 65.89,69.48 63.08,69.48 61.48,67.88 59.89,67.88 U7.M17
WE_FRAME_P0_SNOW4-3: length 7.8
  SIGNAL_L9 w0.083: U9.J4 31.49,35.08 28.68,35.08 27.08,33.48 25.49,33.48 U11.M17
WE_FRAME_P0_SNOW4-4: length 7.8
  SIGNAL_L9 w0.083: U15.M17 59.89,33.48 61.48,33.48 63.08,35.08 65.89,35.08 U13.J4
WE_FRAME_P1: length 9.3
  SIGNAL_L9 w0.083: U2.L17 41.88,50.67 41.88,50.08 42.08,49.88 44.28,49.88 45.88,51.48 48.69,51.48 U8.K4